# Altium PCB DRS4-PCB.PcbDoc (part 6 of 15)
Units mil, origin at the board's own origin, x right, y up, seen from the top; angles counter-clockwise.
Board outline 12350 x 7411.06 mil, 12 copper layers (Top Layer, Ground Layer 2, Signal Layer 3, Signal Layer 4, Ground Layer 5, Power Layer 6, Ground Layer 7, Ground Layer 8, Power Layer 9, Power Layer 10, Ground Layer 11, Bottom Layer), stack 61.6 mil thick; 1411 components, 1117 nets, 4255 pads, 2550 vias.
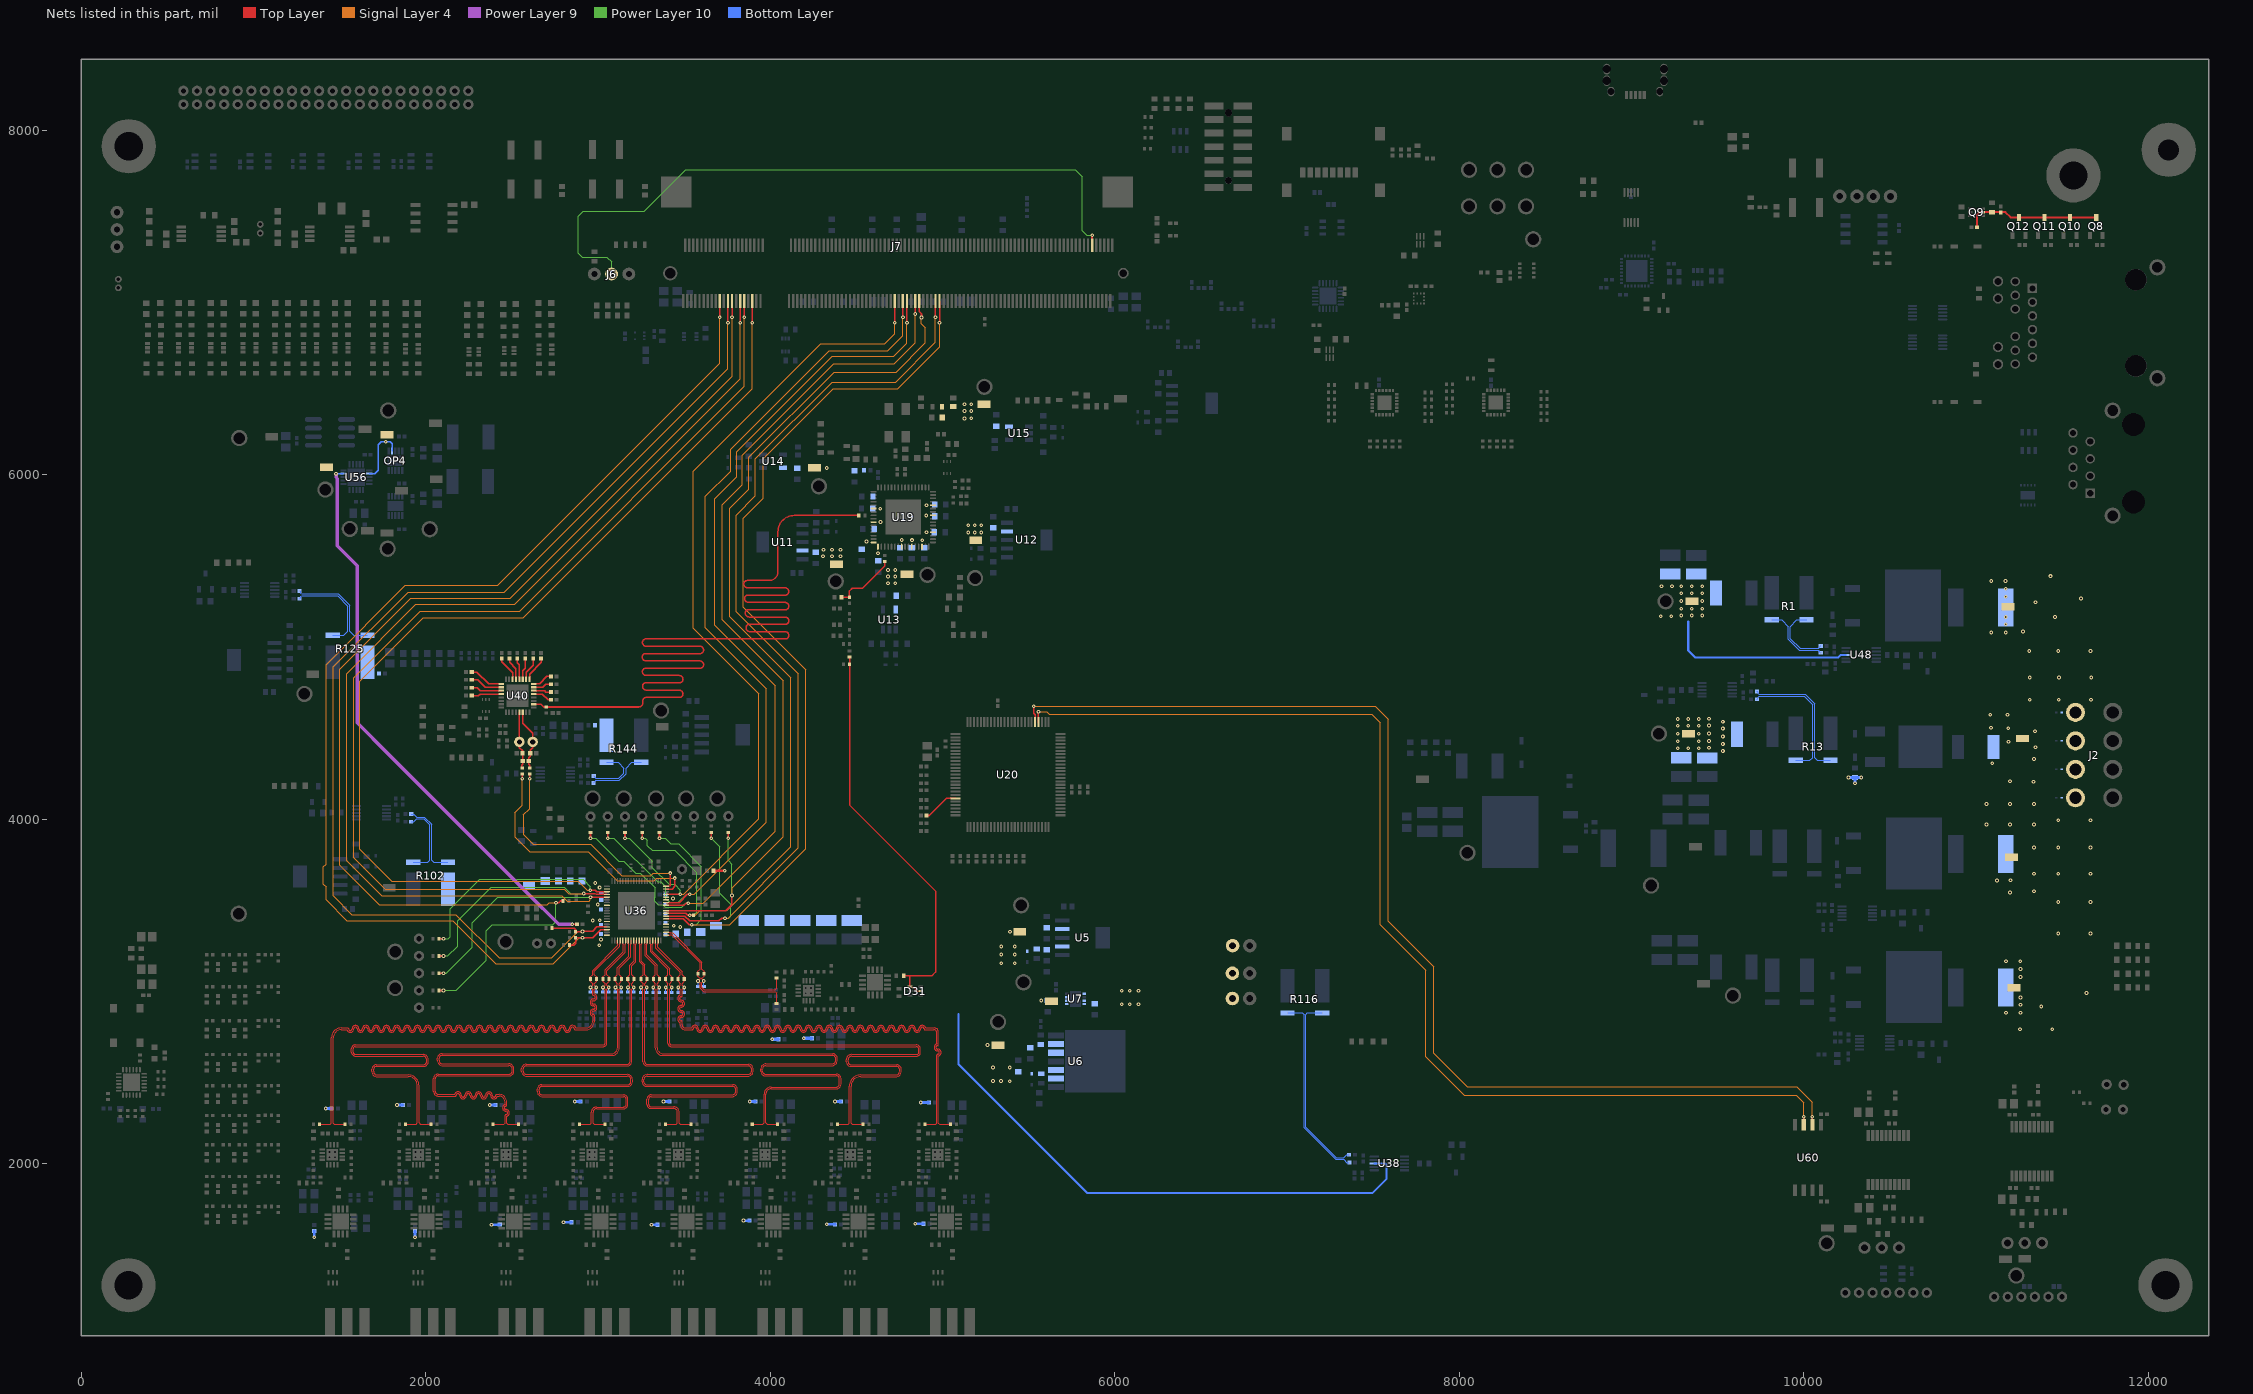
[diagram p16: the nets of this part, all layers, seen from the top]

## Via types
v1: diameter 21.65, hole 10, Top Layer to Bottom Layer, 2413 vias
v2: diameter 20, hole 10, Top Layer to Bottom Layer, 123 vias
v3: diameter 19, hole 8, Top Layer to Bottom Layer, 12 vias
v4: diameter 27.56, hole 10, Top Layer to Bottom Layer, 1 vias
v5: diameter 21.65, hole 10, Top Layer to Bottom Layer, tented top, 1 vias

## Nets (pads, with @x,y where several pads share a name; then routed paths per layer and width w, separated by ;. In a path a pad name is that pad's centre, name@x,y a point inside that pad or via, vN(x,y) a via of type N, cw(c..) or ccw(c..) an arc to the next point about the centre after c; other vN are vias at no path point) (continued)
4V: C4.1 C5.1 FB2.2 FB17A.1 FB17B.1 FB17C.1 FB17D.1 FB17E.1 FB17F.1 FB17G.1 FB17H.1 FB20.1 R14.1 TP2.1 U48.8 | length 1539.1
  Bottom Layer w11.81: 9328.61,5148.45 9328.61,4979.14 9367.77,4939.98 10199.52,4939.98 10212.97,4953.43 U48.8@10244.75,4953.43 ; v1(10258.77,4241.7) v1@10258.99,4241.93 ; v1@10332.99,4241.93 v1(10333.08,4242.02)
  Bottom Layer w15.75: v1(1418.25,2320.63) FB17A.1@1452.59,2320.63 ; v1(1832.46,2340.59) FB17B.1@1866.8,2340.59 ; v1(2369.96,2340.59) FB17C.1@2404.3,2340.59 ; v1(2863.99,2361.6) FB17D.1@2898.33,2361.61 ; v1(3379.12,2361.61) FB17E.1@3413.46,2361.61 ; v1(3879.54,2361.61) FB17F.1@3913.88,2361.61 ; v1(4374.77,2361.61) FB17G.1@4409.1,2361.61 ; v1(4873.32,2355.78) FB17H.1@4920.76,2355.78 ; v1@10258.99,4241.93 R14.1@10296.24,4241.93 ; v1(10296.18,4208.38) v1(10296.18,4208.38) R14.1@10296.24,4241.93 ; v1@10332.99,4241.93 R14.1@10296.24,4241.93
  Bottom Layer w19.68: v1(4010.36,2722.39) FB20.1@4046.41,2722.39
  other v1: 9168.24,5178.05 9229.15,5178.05 9287.57,5182.54 9348.71,5182.54 9409.62,5182.54 9287.57,5221.91 9348.71,5221.91 9409.62,5221.91 9287.57,5266.13 9409.62,5266.13 9287.57,5312.47 9348.71,5312.47 9409.62,5312.47 9172.76,5351.6 9233.66,5351.6 9287.57,5351.84 9348.71,5351.84 9409.62,5351.84
4V_SENSE_N: R1.3 R200.2 | length 407.7
  Bottom Layer w6.73: R1.3@9813.88,5156.71 9870.56,5156.71 9909.27,5118 9909.27,5044.14 9973.45,4979.96 10085.25,4979.96 10089.19,4976.02 10089.19,4973.31 10096.65,4965.85 R200.2@10097.64,4965.85
4V_SENSE_P: R1.4 R206.2 | length 387.1
  Bottom Layer w6.73: R1.4@10015.22,5156.71 9959.71,5156.71 9921,5118 9921,5049 9978.31,4991.69 10085.25,4991.69 10089.19,4995.64 10089.19,4998.34 10096.65,5005.8 R206.2@10097.64,5005.8
+3V3_IN: D1.1 F3.1 J2.1 TP7.1
  other v1: 11254.98,2780.94 11442.12,2780.94 11173.6,2875.9 11257.11,2875.9 11377.7,2913.03 11257.11,2922.88 11257.11,2965.38 11640.88,2990.54 11257.11,3083.88 11257.11,3130.38 11173.6,3175.39 11256.12,3175.39 11477.13,3336.78 11664.25,3336.78 11477.13,3519.12 11664.25,3519.12 11336.3,3581.82 11336.3,3682.8 11477.13,3682.8 11664.25,3682.8 11336.3,3835.47 11477.13,3835.49 11664.25,3835.49 11336.3,3969.21 11477.13,3993.67 11664.25,3993.67 11336.3,4088.31
+3V3_SPM15: D2.1 F2.1 J2.3 TP5.1
  other v1: 11196.22,3574.91 11120.55,3644.31 11199.85,3645.86 11059.88,3969.21 11196.22,3969.21 11059.88,4088.31 11196.22,4088.31 11332.53,4217.84 11196.22,4220.22 11336.3,4349.27
+4V_IN: D4.1 F1.1 J2.7 TP1.1
  other v1: 11310.67,4693.07 11479.77,4693.07 11666.91,4693.07 11311.44,4822.19 11480.54,4822.19 11667.68,4822.19 11308.02,4976.94 11477.13,4976.94 11664.25,4976.94 11087.48,5084.02 11170.98,5084.02 11271.83,5090.23 11170.98,5131 11457.3,5173.44 11170.98,5173.5 11344.74,5259.17 11608.85,5280.83 11170.98,5292 11170.98,5338.5 11087.48,5383.5 11170,5383.5 11430.98,5411.23
-1V: C35.2 C36.2 FB5.2 FB18A.1 FB18B.1 FB18C.1 FB18D.1 FB18E.1 FB18F.1 FB18G.1 FB18H.1 FB21.1 TP24.1 | length 378.4
  Bottom Layer w15.75: v1(1351.65,1573.18) FB18A.1@1351.65,1608.98 ; v1(1936.3,1573.18) FB18B.1@1936.3,1608.98 ; v1(2381.2,1645.89) 2428.64,1645.89 FB18C.1@2428.84,1646.09 ; v1(2798.96,1660.34) FB18D.1@2846.4,1660.34 ; v1(3309.44,1644.92) FB18E.1@3344.49,1644.92 ; v1(3843.94,1669.67) FB18F.1@3879,1669.67 ; v1(4327.2,1647.88) FB18G.1@4374.64,1647.88 ; v1(4840.84,1651.14) FB18H.1@4888.28,1651.14
  Bottom Layer w19.68: v1(4194.11,2728.43) FB21.1@4240.81,2728.43
  other v1: 9529.61,4396.56 9267.84,4412.5 9328.98,4412.5 9389.89,4412.5 9449.34,4414.31 9529.61,4435.93 9267.84,4451.87 9389.89,4451.87 9449.34,4453.68 9529.61,4480.15 9267.84,4496.08 9389.89,4496.08 9449.34,4497.89 9529.61,4526.48 9267.84,4542.42 9328.98,4542.42 9389.89,4542.42 9449.34,4544.23 9529.61,4565.85 9267.84,4581.79 9328.98,4581.79 9389.89,4581.79 9449.34,4583.6
-1V_IN: D3.1 F4.1 J2.5 TP23.1
  other v1: 11093.25,4324.14 11343.91,4417.14 11188.16,4450 11341.63,4511.09 11185.63,4527.66 11086.16,4531.21 11082.1,4606.32 11181.57,4606.83
-1V_SENSE_N: R13.4 R201.2 | length 779.1
  Bottom Layer w6.73: R201.2@9726.91,4741.5 9727.89,4741.5 9735.35,4734.04 9735.35,4728.67 9739.3,4724.73 9793.59,4724.73 10006.86,4724.73 10062.73,4668.85 10062.73,4357 10078.71,4341.02 R13.4@10154.34,4341.02
-1V_SENSE_P: R13.3 R207.2 | length 766.1
  Bottom Layer w6.73: R207.2@9726.91,4696.22 9727.89,4696.22 9735.35,4703.68 9735.35,4709.05 9739.3,4712.99 9798.45,4712.99 10002,4712.99 10051,4663.99 10051,4357 10035.02,4341.02 R13.3@9953,4341.02
ADC0: R128.1 U40.5 | length 112.6
  Top Layer w7.87: U40.5@2627.22,4726.57 2676.77,4726.57 2710.6,4692.73 R128.1@2725.78,4692.73
ADC0_N: C124.1 C125.2 R127.2 TP50.1 U40.30 | length 360.6
  Top Layer w7.8: U40.30@2562.24,4622.23 2562.24,4556.29 2620.35,4498.18 TP50.1@2620.35,4448.82 2620.35,4413.86 2606.51,4400.02 C124.1@2606.51,4382.58 2606.51,4365.9 2597.83,4357.21 C125.2@2597.83,4338.59 2597.83,4319.01 2603.91,4312.93 2603.91,4299.72 R127.2@2602.34,4298.15
ADC0_P: C123.1 C125.1 R361.2 TP49.1 U40.29 | length 335.5
  Top Layer w7.8: U40.29@2542.56,4622.23 TP49.1@2542.56,4448.82 2542.56,4415.51 2560.93,4397.13 C123.1@2560.93,4382.6 2560.93,4340.84 C125.1@2563.18,4338.59 2563.18,4318.83 2557.41,4313.06 2557.41,4299.4 R361.2@2558.66,4298.15
ADC1: R130.1 U40.6 | length 102
  Top Layer w7.87: U40.6@2627.22,4746.25 2688.79,4746.25 2697.03,4738.02 R130.1@2725.78,4738.02
ADC2: R132.1 U40.7 | length 105.8
  Top Layer w7.87: U40.7@2627.22,4765.94 2677.59,4765.94 2694.95,4783.3 R132.1@2725.78,4783.3
ADC3: R134.1 U40.8 | length 116.4
  Top Layer w7.87: U40.8@2627.22,4785.62 2659.85,4785.62 2702.82,4828.59 R134.1@2725.78,4828.59
ADC4: R136.1 U40.9 | length 148.7
  Top Layer w7.87: U40.9@2601.61,4811.23 2601.61,4842.69 2668.72,4909.8 R136.1@2668.72,4932.12
ADC5: R137.1 U40.10 | length 138.1
  Top Layer w7.87: U40.10@2581.93,4811.23 2581.93,4853.12 2623.43,4894.63 R137.1@2623.43,4932.12
ADC6: R138.1 U40.11 | length 127
  Top Layer w7.87: U40.11@2562.24,4811.23 2562.24,4861.21 2577.09,4876.05 R138.1@2577.09,4932.12
ADC7: R139.1 U40.12 | length 125.7
  Top Layer w7.87: R139.1@2531,4932.12 2531,4907.41 2542.56,4895.85 U40.12@2542.56,4811.23
ADC8: R141.1 U40.13 | length 136.3
  Top Layer w7.87: R141.1@2485.61,4932.12 2485.61,4911.08 2522.87,4873.81 U40.13@2522.87,4811.23
ADC9: R142.1 U40.14 | length 147.5
  Top Layer w7.87: R142.1@2440.32,4932.12 2440.32,4912.88 2503.94,4849.27 2503.94,4811.97 U40.14@2503.19,4811.23
ADC10: R143.1 U40.17 | length 200.3
  Top Layer w7.87: R143.1@2266.32,4854.31 2295.77,4854.31 2364.46,4785.62 U40.17@2438.22,4785.62
ADC11: R145.1 U40.18 | length 189.7
  Top Layer w7.87: R145.1@2266.32,4809.03 2301.41,4809.03 2344.5,4765.94 U40.18@2438.22,4765.94
ADC12: R146.1 U40.19 | length 179.1
  Top Layer w7.87: R146.1@2266.32,4763.74 2297.65,4763.74 2315.14,4746.25 U40.19@2438.22,4746.25
ADC13: R147.1 U40.20 | length 176.4
  Top Layer w7.87: R147.1@2266.32,4718.46 2267.64,4717.14 2305.38,4717.14 2314.81,4726.57 U40.20@2438.22,4726.57
ADC_ANA_SENSE_N: R144.3 R149.1 | length 339.8
  Bottom Layer w6.73: R149.1@2974.55,4251.42 2975.54,4251.42 2983,4243.96 2983,4240.74 2986.94,4236.8 3118.8,4236.8 3150,4268 3150,4296 3115.74,4330.26 R144.3@3048.65,4330.26
ADC_ANA_SENSE_P: R144.4 R151.1 | length 346.3
  Bottom Layer w6.73: R151.1@2974.28,4210.56 2975.27,4210.56 2982.73,4218.03 2982.73,4221.12 2986.67,4225.07 3123.66,4225.07 3161.73,4263.14 3161.73,4296 3195.99,4330.26 R144.4@3249.99,4330.26
ADC_AVDD: FB11.1 R144.2
ADC_CLK: R50.1 R126.2 U40.2 | length 7023.1
  Top Layer w8.72: U40.2@2627.22,4667.51 2667.6,4667.51 2683.73,4651.38 3235.88,4651.38 ccw(c3235.88,4674.5) 3258.99,4674.5 3258.99,4686.93 cw(c3279.14,4686.93) 3279.14,4707.09 ; 3275.79,4876.81 3277.03,4876.81 ; 3275.91,4961.67 ccw(c3275.91,4941.51) 3255.75,4941.51 ccw(c3278.03,4941.51) 3278.03,4919.24 3589.05,4919.24 ; 3277.03,5046.53 ccw(c3277.03,5026.37) 3256.87,5026.37 ccw(c3279.14,5026.37) 3279.14,5004.1 3590.03,5004.1 cw(c3590.03,4981.82) 3612.3,4981.82 cw(c3592.15,4981.82) 3592.15,4961.67 ; 3277.91,4707.09 3279.14,4707.09 ; 3278.03,4791.95 ccw(c3278.03,4771.79) 3257.87,4771.79 ccw(c3280.15,4771.79) 3280.15,4749.52 3470.36,4749.52 ; 3278.03,4961.67 3590.03,4961.67 ; 3279.14,5046.53 4084.73,5046.53 ; 3280.15,4791.95 3470.36,4791.95 ; 3470.36,4707.09 3279.14,4707.09 ; 3472.48,4707.09 ccw(c3472.48,4727.24) 3492.64,4727.24 ccw(c3470.36,4727.24) 3470.56,4749.52 ; 3472.48,4791.95 ccw(c3472.48,4812.1) 3492.64,4812.1 ccw(c3470.36,4812.1) 3470.36,4834.38 3279.14,4834.38 cw(c3279.14,4856.65) 3256.87,4856.65 cw(c3277.03,4856.65) 3277.03,4876.81 ; 3590.03,4876.81 3277.03,4876.81 ; 3590.03,4919.24 cw(c3590.03,4896.96) 3612.3,4896.96 cw(c3592.15,4896.96) 3592.15,4876.81 ; 4086.85,5046.53 ccw(c4086.85,5066.68) 4107.01,5066.68 ccw(c4084.73,5066.68) 4084.73,5088.96 3880.69,5088.96 cw(c3880.69,5111.23) 3858.41,5111.23 cw(c3878.57,5111.23) 3878.57,5131.39 4086.85,5131.39 ccw(c4086.85,5151.55) 4107.01,5151.55 ccw(c4084.73,5151.55) 4084.73,5173.82 3876.45,5173.82 cw(c3876.45,5196.1) 3854.17,5196.1 cw(c3874.33,5196.1) 3874.33,5216.25 4086.85,5216.25 ccw(c4086.85,5236.41) 4107.01,5236.41 ccw(c4084.73,5236.41) 4084.73,5258.68 3872.21,5258.68 cw(c3872.21,5280.96) 3849.94,5280.96 cw(c3870.09,5280.96) 3870.09,5301.11 4086.85,5301.11 ; 4088.87,5301.11 4086.85,5301.11 ; R50.1@4512.99,5763.78 4138.96,5763.54 ccw(c4138.96,5668.25) 4043.67,5668.25 4043.67,5437.36 cw(c3992.28,5437.36) 3992.28,5385.97 3865.85,5385.97 ccw(c3865.85,5365.82) 3845.7,5365.82 ccw(c3867.97,5365.82) 3867.97,5343.54 4084.73,5343.54 cw(c4084.73,5321.27) 4107.01,5321.27 cw(c4086.85,5321.27) 4086.85,5301.11 ; 3470.36,4749.52 cw(c3470.36,4727.24) 3470.56,4749.52 ; 3470.36,4749.52 3470.56,4749.52
ADC_DIG_SENSE_N: R125.3 R129.1 | length 591.9
  Bottom Layer w6.73: R129.1@1266.33,5325.45 1267.31,5325.45 1274.77,5317.98 1274.77,5312.61 1278.71,5308.67 1491.92,5308.67 1558.73,5241.86 1558.73,5092 1582.04,5068.69 R125.3@1660.96,5068.69
ADC_DIG_SENSE_P: R125.4 R133.1 | length 557.6
  Bottom Layer w6.73: R133.1@1266.33,5280.16 1267.31,5280.16 1274.77,5287.62 1274.77,5292.99 1278.71,5296.94 1487.06,5296.94 1547,5237 1547,5092 1523.69,5068.69 R125.4@1459.63,5068.69
ADC_DVDD: FB16.1 R125.2
BIAS: R108.1 TP78.1 U56.9 | length 3301.1
  Top Layer w7.87: v1(2849.99,3390.09) 2876.56,3390.09 R108.1@2876.97,3389.68
  Power Layer 9 w19.68: v1(1478.68,6005.67) 1478.68,5984.53 1486.48,5976.73 1486.48,5586.62 1601.59,5471.5 1601.59,4558.68 1778.86,4381.42 2591.54,3568.73 2770.59,3389.68 v1@2850.71,3389.68
  Bottom Layer w7.87: v1(1478.68,6005.67) U56.9@1521.38,6005.67
BOOT_MODE: J6.2 J7.190 | length 3995.4
  Top Layer w11.81: J7.190@5867.92,7330.79 v1(5867.91,7390.45)
  Power Layer 10 w6.88: J6.2@3078.03,7165.12 3078.03,7235.93 3050.67,7263.29 2908.14,7263.29 2885.21,7286.22 2885.21,7501.37 2913.48,7529.65 3268.49,7529.65 3509.62,7770.78 5768.96,7770.78 5810.43,7729.31 5810.43,7416.42 5836.39,7390.45 v1(5867.91,7390.45) v1@5868.9,7390.45
CLK_SYNTH_8: C245.2 L6.1 R51.1 | length 374.5
  Top Layer w8.72: C245.2@4411.62,5288.38 L6.1@4459.13,5288.38 4459.15,5325.13 4475.04,5341.02 4535.16,5341.02 4663.7,5469.57 R51.1@4663.7,5495.35
CLK_SYNTH_LP: C233.2 D31.2 D31.4 R186.2 R188.2 | length 2366.4
  Top Layer w8.72: R186.2@4459.92,4940.71 R188.2@4459.92,4899.21 4459.92,4082.08 4959.33,3582.67 4959.33,3112.87 4937.6,3091.14 4809.84,3091.14 ; C233.2@4773.91,3091.14 4809.84,3091.14 ; D31.2@4872.84,3001.81 4872.56,3002.09 4852.37,3002.09 4828.61,3025.86 4811.39,3025.86 D31.4@4809.84,3027.4 4809.84,3091.14
CLK_VDD_1V8: C38.2 C100.2 C101.2 C102.2 TP26.1 U11.4 U19.32 U19.46 U19.60
  other v1: 4305.38,5526.65 4358.07,5526.65 4407.13,5526.65 4307.72,5563.82 4358.07,5563.82 4407.13,5563.82 4557.84,5612.45 4880.8,5619.36 4905.71,5822.55
CLK_VDDA_3V3: C50.2 C94.2 FB7.1 TP32.1 U14.5
  other v1: 4327.13,6038.35
CLK_VDDO_2V5: C41.2 C95.2 C96.2 C97.2 C98.2 C99.2 TP28.1 U12.4 U19.26 U19.33 U19.43 U19.52 U19.57
  other v1: 4624.89,5543.93 4821.83,5620.23 5148.69,5663.89 5185.85,5663.89 5224.75,5663.89 4906.66,5665.66 5148.69,5705.93 5185.85,5705.93 5224.75,5705.93 4639.55,5725.1 4905.41,5763.74
CLK_VDDO_3V3: C46.2 C103.2 C104.2 C105.2 TP30.1 U13.5 U19.22 U19.40
  other v1: 4682.32,5370.04 4724.37,5370.04 4682.32,5408.94 4724.37,5408.94 4682.32,5446.1 4724.37,5446.1 4762.42,5621.32 4638.31,5802.98
CLK_VDDS_3V3: C53.2 C93.1 L1.2 R61.2 TP34.1 U15.5
  other v1: 5126.35,6326.46 5166.61,6326.92 5126.35,6369.95 5166.61,6369.95 5126.35,6409.11 5166.61,6409.11
CM: OP4.7 TP76.1 U56.17 | length 345.1
  Bottom Layer w7.87: U56.17@1671.18,6005.67 1703.08,6005.67 1723.47,6026.06 1723.47,6175.06 1740.36,6191.95 v1(1766.27,6191.95) 1792.49,6191.95 1803.49,6180.96 OP4.7@1803.49,6137.21
CTREF: C113.2 Q8.3 Q9.2 Q10.3 Q11.3 Q12.3 R75.1 R78.2 | length 782.5
  Top Layer w11.81: R75.1@11005.24,7437.39 11005.24,7509.7 11019.55,7524.02 Q9.2@11040.63,7524.02 11169.99,7524.02 11200,7494.01 Q12.3@11248.07,7494.01 Q11.3@11396.78,7494.01 Q10.3@11545.49,7494.01 Q8.3@11697.06,7494.01
CY8_INT: R333.2 U20.45 | length 208.8
  Top Layer w9.84: R333.2@4906.61,4021.49 4922.75,4021.49 5022.6,4121.33 U20.45@5074.09,4121.33
DAC_C\L\R\: U20.5 U60.2 | length 6679.5
  Top Layer w7.87: v1(5529.21,4655.08) 5529.21,4613.94 5536.69,4606.46 U20.5@5536.69,4564.25 ; U60.2@10049.13,2224.92 v1(10049.13,2272.89)
  Signal Layer 4 w6.12: v1(5529.21,4655.08) 5575.83,4655.08 7511.49,4655.08 7587.7,4578.87 7587.7,3407.23 7851.52,3143.4 7851.52,2640.39 8044.38,2447.53 9959.75,2447.53 10049.13,2358.15 v1(10049.13,2272.89)
DAC_I\R\Q\: U20.4 U60.3 | length 6552.1
  Top Layer w7.87: U20.4@5556.38,4564.25 v1(5556.38,4623.9) ; U60.3@9999.13,2224.92 v1(9999.13,2271.91)
  Signal Layer 4 w6.12: v1(5556.38,4623.9) 5605.22,4623.9 5620.29,4608.82 7492.33,4608.82 7541.44,4559.71 7541.44,3388.07 7805.27,3124.24 7805.27,2621.23 8029.35,2397.14 9955.03,2397.14 9999.13,2353.03 v1(9999.13,2271.91)
DRS4_2V5_ADM: C21.2 J4.2 U7.5 U7.7 U7.8
  other v1: 6137.02,2925.42 6039.97,2926.19 6086.7,2926.19 6039.97,3004.54 6086.7,3004.54 6137.02,3004.54
DRS4_2V5_MIC: C18.2 D7.1 J5.2 R9.1 U6.2 U6.3
  other v1: 5389.01,2478.82 5291.96,2479.59 5338.7,2479.59 5291.96,2557.94 5389.01,2557.94
DRS4_2V5_TPS: C14.2 D6.1 J3.2 R8.1 U5.2
  other v1: 5339.54,3164.49 5418.66,3164.49 5340.31,3214.8 5418.66,3214.8 5340.31,3261.54 5418.66,3261.54
DRS4_\R\E\S\E\T\: J7.93 R35.1 U36.35 | length 5117.8
  Top Layer w7.87: U36.35@3394.77,3563.28 v1@3483.19,3563.28 ; v1(4722.11,6881.89) J7.93@4722.1,7008.12
  Top Layer w10: v1(3155.91,3889.33) R35.1@3155.91,3923.82
  Signal Layer 4 w6.12: v1(3476.27,3564.41) v1@3481.29,3564.41 ; v1@3479.7,3562.82 v1@3481.29,3564.41 ; v1@4722.11,6878.95 4722.11,6816.96 4665.23,6760.08 4292.72,6760.08 3552.52,6019.88 3552.52,5108.73 3933.11,4728.13 3933.11,4002.09 3495.69,3564.68 3481.56,3564.68 v1@3481.29,3564.41
  Power Layer 10 w6.88: v1(3155.91,3889.33) 3181.09,3889.33 3315.57,3754.85 3315.57,3717.56 3411.78,3621.34 3443.75,3621.34 3476.27,3588.82 v1(3476.27,3564.41)
DRS4_A0: J7.99 R217.1 U36.31 | length 5531.5
  Top Layer w7.87: U36.31@3394.77,3500.29 3498.22,3500.29 3510.3,3512.36 v1(3522.64,3512.36) ; v1(4792.97,6881.89) J7.99@4792.97,7007.79
  Top Layer w10: v1(2955.91,3889.33) R217.1@2955.91,3923.82
  Signal Layer 4 w6.12: v1@3522.64,3512.32 3611.43,3512.32 4029.01,3929.89 4029.01,4773.88 3676.13,5126.75 3676.13,5860.12 3804.72,5988.71 3804.72,6133.53 4359.31,6688.12 4717.25,6688.12 4792.97,6763.84 v1(4792.97,6881.89)
  Power Layer 10 w6.88: v1(2955.91,3889.33) 2986.83,3889.33 3120.46,3755.7 3148.62,3755.7 3217.54,3686.78 3245.47,3686.78 3330.58,3601.67 3330.58,3546.53 3330.07,3546.02 3330.07,3523.54 3348.97,3504.63 3373.79,3504.63 3389.08,3489.35 3483.98,3489.35 3506.99,3512.36 v1(3522.64,3512.36)
DRS4_A1: J7.97 R218.1 U36.32 | length 5344.6
  Top Layer w7.87: U36.32@3395.03,3515.98 3470.13,3515.98 3518.14,3563.99 v5(3531.29,3563.99) ; v1(4769.35,6913.39) J7.97@4769.35,7008.1
  Top Layer w10: v1(3055.91,3889.33) R218.1@3055.91,3923.82
  Signal Layer 4 w6.12: v5(3531.29,3563.99) 3558.12,3563.99 3975.39,3981.27 3975.39,4758.74 3622.52,5111.61 3622.52,5873.76 3770,6021.24 3770,6149 4341.18,6720.18 4681.61,6720.18 4769.35,6807.92 v1(4769.35,6913.39)
  Power Layer 10 w6.88: v1(3055.91,3889.33) 3091.6,3889.33 3344.92,3636.01 3364.57,3636.01 3392.34,3608.24 3392.34,3539.02 3414.27,3517.09 3464.01,3517.09 3510.92,3563.99 v5(3531.29,3563.99)
DRS4_A2: J7.35 R307.2 U36.60 | length 7158.5
  Top Layer w7.87: v1(2954.92,3588.18) 2983.99,3588.18 2993.2,3578.98 U36.60@3050.54,3578.98 ; v1(3895.4,6881.89) J7.35@3895.39,7008.12
  Top Layer w10: R307.2@2075.85,3306.08 v1(2102.84,3306.08)
  Signal Layer 4 w6.12: v1(2954.92,3588.18) 2954.33,3588.78 2936.54,3588.78 2885.2,3640.12 1801.42,3640.12 1614.68,3826.86 1614.68,4800.21 1985.22,5170.75 2566.53,5170.75 3895.4,6499.62 v1(3895.4,6881.89)
  Power Layer 10 w6.88: v1(2102.84,3306.08) 2128.97,3306.08 2140.98,3318.09 2140.98,3478.74 2312.25,3650 2914,3650 2954.92,3609.07 v1(2954.92,3588.18)
DRS4_A3: J7.31 R308.1 U36.61 | length 7176
  Top Layer w7.87: v1(2916.14,3568.05) 2983.41,3568.05 2988.24,3563.23 U36.61@3050.54,3563.23 ; v1(3848.16,6913.39) J7.31@3848.15,7008.12
  Top Layer w10: R308.1@2075.85,3206.08 v1(2102.84,3206.08)
  Signal Layer 4 w6.12: v1(2916.14,3568.05) 2914.57,3566.47 2830.81,3566.47 2803.5,3593.79 1763.38,3593.79 1580.53,3776.63 1580.53,4822.41 1966.44,5208.31 2543.55,5208.31 3848.16,6512.92 v1(3848.16,6913.39)
  Power Layer 10 w6.88: v1(2102.84,3206.08) 2126.7,3206.08 2183.66,3263.04 2183.66,3409.76 2378.14,3604.24 2804.2,3604.24 2841.96,3566.47 2914.57,3566.47 v1(2916.14,3568.05)
DRS4_AVDD: C150.1 C151.2 C152.1 C153.1 C154.1 C155.2 C156.2 C157.2 C158.2 C159.2 R102.2 U36.59 U36.65 U36.71 U36.76
  other v1: 3006.93,3267.47 3016,3301.61 2968.88,3411.39 3008.69,3412.76 2998.43,3505.1 3008.53,3603.26 2983.28,3630.22
DRS4_AVDD_N: R102.3 R103.1 | length 450.3
  Bottom Layer w5: R103.1@1915.12,4029.83 1929.43,4029.83 1947.1,4012.16 1991.13,4012.16 2032.68,3970.61 2032.68,3763.11 2045.04,3750.75 R102.3@2128.3,3750.75
DRS4_AVDD_P: R102.4 R105.1 | length 434.7
  Bottom Layer w5: R105.1@1914.72,3984.49 1929.03,3984.49 1946.7,4002.16 1986.98,4002.16 2022.68,3966.47 2022.68,3762.43 2011,3750.75 R102.4@1926.96,3750.75
DRS4_DENABLE: J7.19 R31.1 R113.2 U36.74 | length 6727.8
  Top Layer w7.87: R31.1@2833.68,3269.61 2858.83,3269.61 2869.84,3280.63 R113.2@2869.84,3312.09 v1(2908.94,3312.09) 2968.02,3312.09 3014.43,3358.5 U36.74@3050.54,3358.5 ; v1(3706.44,6913.39) J7.19@3706.43,7008.12
  Signal Layer 4 w6.12: v1(2908.94,3312.09) 2890.23,3312.09 2739.24,3161.09 2405.27,3161.09 2155.41,3410.95 1540.53,3410.95 1420.49,3530.99 1420.49,3608.21 1405.04,3623.66 1405.04,3723.93 1420.49,3739.38 1420.49,4898.02 1881.04,5358.57 2418.29,5358.57 3706.44,6646.73 v1(3706.44,6913.39)
DRS4_DTAP: J7.29 R343.1 U36.62 | length 7306.2
  Top Layer w7.87: v1@2955.48,3544.02 2958.95,3547.48 U36.62@3050.54,3547.48 ; v1(3824.54,6881.89) J7.29@3824.53,7008.12
  Top Layer w10: R343.1@2075.85,3106.08 v1(2102.84,3106.08)
  Signal Layer 4 w6.12: v1(2955.1,3547.12) 2955.1,3531.7 2947,3523.61 2820.23,3523.61 2789.62,3554.22 1743.64,3554.22 1539.5,3758.36 1539.5,4844.55 1942.16,5247.22 2515.88,5247.22 3824.54,6555.88 v1(3824.54,6881.89)
  Power Layer 10 w6.88: v1(2102.84,3106.08) 2119.49,3106.08 2270.56,3257.14 2270.56,3400.31 2415.88,3545.63 2953.61,3545.63 v1(2955.1,3547.12)
DRS4_DVDD: C1.1 C2.1 C3.1 C17.2 C19.2 C22.2 C66.1 C110.1 C160.1 C161.2 C162.2 C163.2 C164.2 C165.2 C166.2 C167.1 C168.1 FB9.1 R10.2 TP12.1 TP14.1 TP16.1 U5.4 U6.5 U6.6 U7.1 U7.2 U7.3 U36.23 U36.24 U36.33 U36.34 U38.8 | length 3343.3
  Top Layer w7.87: v1@3731.66,3700.73 v1(3735.71,3700.73)
  Top Layer w15.75: FB9.1@3668.49,3700.74 v1@3731.65,3700.74
  Bottom Layer w11.81: 5091.98,2869.05 5091.98,2578.01 5840.97,1829.02 7493.78,1829.02 7577.11,1912.36 7577.11,1992.44 7568.24,2001.32 U38.8@7505.78,2001.32
  other v1: 5260.11,2688.97 5572.52,2946.97 5390.43,3346.85 3476.64,3374.41 3439.36,3382 3435.1,3539.88
DRS4_DVDD_N: R116.3 R117.1 | length 1103
  Bottom Layer w5: R116.3@7002.66,2874.94 7088.9,2874.94 7098.32,2865.52 7098.32,2208.2 7282.07,2024.45 7329.01,2024.45 7346.65,2006.81 R117.1@7360.97,2006.81
DRS4_DVDD_P: R116.4 R120.1 | length 1084.7
  Bottom Layer w5: R116.4@7203.99,2874.94 7117.68,2874.94 7108.32,2865.59 7108.32,2212.34 7286.21,2034.45 7327.32,2034.45 7344.97,2052.1 R120.1@7359.28,2052.1
DRS4_DWRITE: J7.23 R33.1 R114.2 U36.73 | length 6735
  Top Layer w7.87: R33.1@2732.64,3368.23 2860.37,3368.23 2869.29,3359.31 R114.2@2869.29,3345.94 2906.5,3345.94 v1(2908.94,3348.39) 2967.38,3348.39 2993.25,3374.25 U36.73@3050.54,3374.25 ; v1(3753.68,6881.89) J7.23@3753.67,7008.12